# Altium PCB TG102LE4G_A7682_240822.PcbDoc (part 1 of 2) (continued)
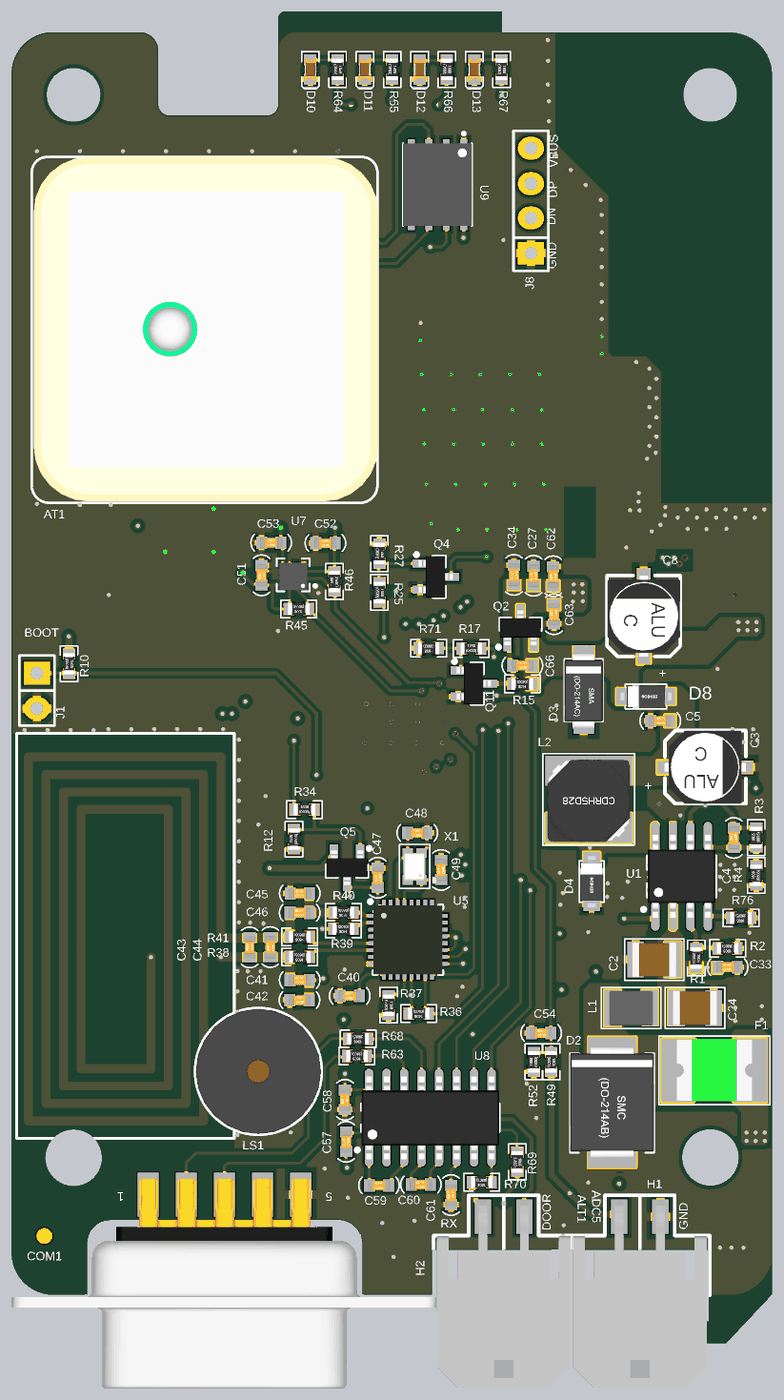
[diagram p5: 3D render of the assembled board from above, using the file's embedded part models]
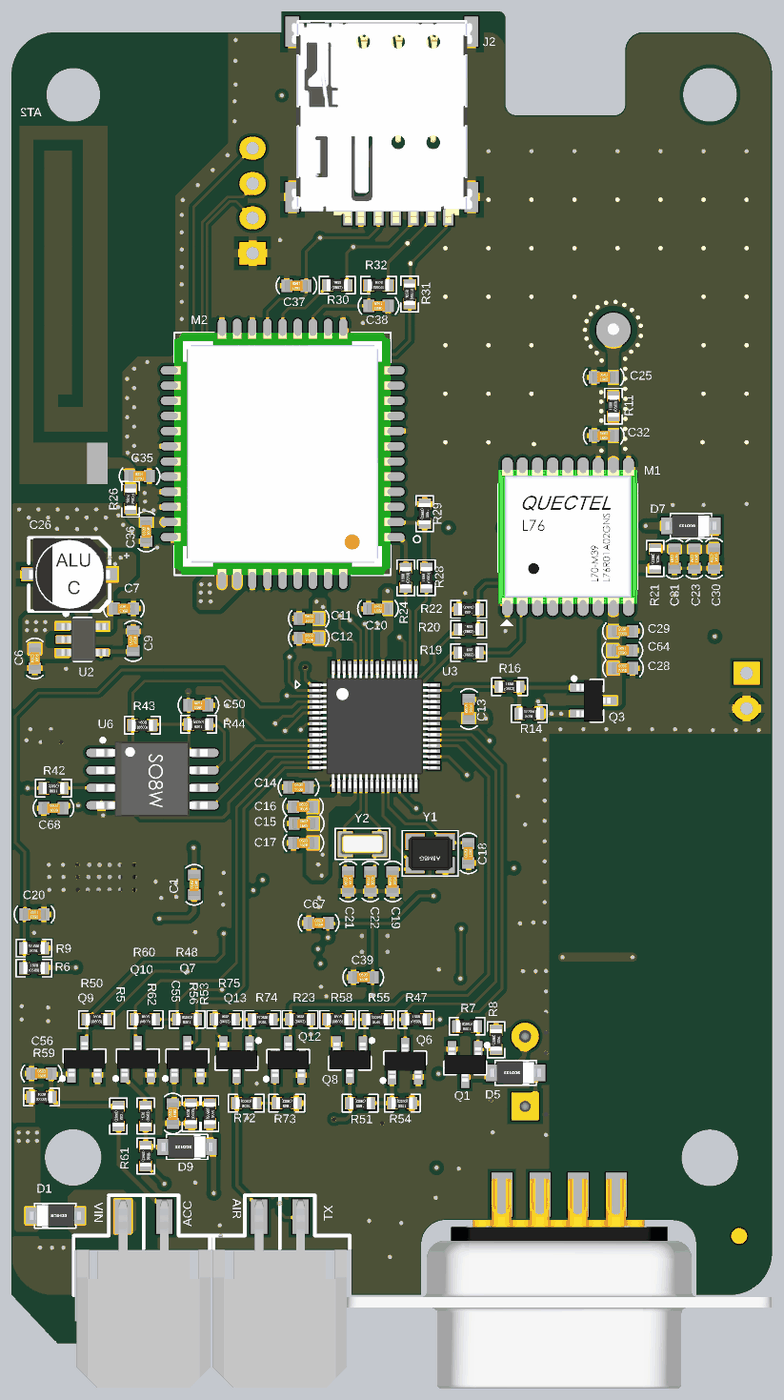
[diagram p6: 3D render of the assembled board from below, using the file's embedded part models]

## Layer stack, top to bottom
Top Solder: solder mask 0.0254, SM-001, Dk 3.8
Top Layer: signal copper 0.035
Dielectric 1: prepreg 0.0993, PP-017, Dk 4
Signal1 Layer: signal copper 0.0152
Dielectric 3: core 1.2649, Core-039, Dk 4
Signal2 layer: signal copper 0.0152
Dielectric 2: prepreg 0.0993, PP-017, Dk 4
Bottom Layer: signal copper 0.035
Bottom Solder: solder mask 0.0254, SM-001, Dk 3.8

## Board outline
-0.013,3.048 ccw(c3.048,3.048) 3.048,-0.013 5.48,-0.013 5.493,0 5.493,3.752 5.493,3.76 cw(c7.148,3.752) 7.148,5.407 7.148,5.433 23.665,5.433 cw(c23.665,3.644) 25.453,3.653 25.453,0.013 30.493,0.013 30.493,3.249 30.505,3.264 50.597,3.264 50.605,3.241 50.605,-1.925 50.592,-1.938 49.453,-1.938 49.453,-3.532 51.856,-3.532 55.18,0.006 55.18,3.043 55.185,88.515 55.187,88.522 ccw(c52.126,88.515) 52.126,91.576 52.124,91.576 35.6,91.576 35.587,91.589 35.587,93.114 33.838,93.114 19.843,93.114 19.853,93.11 ccw(c19.855,92.597) 19.342,92.597 19.342,92.594 19.342,86.311 cw(c18.529,86.374) 18.566,85.56 11.386,85.56 cw(c11.45,86.373) 10.635,86.336 10.635,90.26 ccw(c9.294,90.26) 9.299,91.602 3,91.602 ccw(c3,88.589) -0.013,88.589
cut-out: 4.492,85.108 cw(c4.492,87.058) 2.542,87.058 cw(c4.492,87.058) 4.492,89.008 cw(c4.492,87.058) 6.442,87.058 cw(c4.492,87.058)
cut-out: 48.752,87.054 ccw(c50.702,87.054) 50.702,85.104 ccw(c50.702,87.054) 52.652,87.054 ccw(c50.702,87.054) 50.702,89.004 ccw(c50.702,87.054)
cut-out: 2.447,9.933 ccw(c4.497,9.933) 4.497,7.883 ccw(c4.497,9.933) 6.547,9.933 ccw(c4.497,9.933) 4.497,11.983 ccw(c4.497,9.933)
cut-out: 48.668,9.959 ccw(c50.718,9.959) 50.718,7.909 ccw(c50.718,9.959) 52.768,9.959 ccw(c50.718,9.959) 50.718,12.009 ccw(c50.718,9.959)

## Design rules (kind name [scope] priority, off if disabled: settings)
Clearance USB [InNet('D_N') vs InNet('D_P')] p1: gap=0.254 ignorepadtopadclearanceinfootprint=FALSE except(0.127: Arc-Arc Arc-Track Track-Track)
Clearance Clearance_2 [OnLayer('Keep-Out Layer')] p2: gap=0.05 ignorepadtopadclearanceinfootprint=FALSE
Clearance Clearance_4 [InNetClass('ANT')] p3: gap=0.17 ignorepadtopadclearanceinfootprint=FALSE
Clearance Clearance_3 [HasFootprint('32-VFQFN')    or HasFootprint('HT_LQFP64')    or HasFootprint('MUP-C7801-2')   or HasFootprint('SOT886')    or HasFootprint('Crystal 2016')] p4: gap=0.15 ignorepadtopadclearanceinfootprint=FALSE
Clearance Clearance_1 [HasFootprint('KXTJ3-1057')] p5: gap=0 ignorepadtopadclearanceinfootprint=FALSE
Clearance POWER [InNetClass('POWER')        or InNet('NetC41_2')] p6: gap=0.254 ignorepadtopadclearanceinfootprint=FALSE except(0.15: Arc-Track Track-Track Track-Region Region-Region; 0.3: Arc-Poly Arc-Region Track-Poly SMDPad-Poly THPad-Poly THPad-Region Via-Poly Via-Region Fill-Poly Fill-Region Poly-Poly Poly-Region)
Clearance PolyGon [InNamedPolygon('GND_L01_P000')or InNamedPolygon('GND_L04_P001') or InNamedPolygon('3V3')or InNamedPolygon('GND_L03_P002') or InNamedPolygon('V_MCU_L02_P003   ')] p7: gap=0.254 ignorepadtopadclearanceinfootprint=FALSE
Clearance [All] p8: gap=0.15 ignorepadtopadclearanceinfootprint=FALSE
DiffPairsRouting DiffPair_DIFF90DiffPairsRouting [InDifferentialPairClass('DIFF90')] p1: maxlimit=0.152 minlimit=0.152 mostfreqgap=0.152 toplayer_minwidth=0.178 toplayer_maxwidth=0.178 toplayer_prefwidth=0.178 midlayer1_minwidth=0.178 midlayer1_maxwidth=0.178 midlayer1_prefwidth=0.178 midlayer2_minwidth=0.178 midlayer2_maxwidth=0.178 midlayer2_prefwidth=0.178 bottomlayer_minwidth=0.178 bottomlayer_maxwidth=0.178 bottomlayer_prefwidth=0.178 maxuncoupledlength=12.7
DiffPairsRouting DiffPairsRouting_1 [InDifferentialPairClass('DIFF90')] p2: maxlimit=0.254 minlimit=0.254 mostfreqgap=0.254 toplayer_minwidth=0.381 toplayer_maxwidth=0.381 toplayer_prefwidth=0.381 midlayer1_minwidth=0.381 midlayer1_maxwidth=0.381 midlayer1_prefwidth=0.381 midlayer2_minwidth=0.381 midlayer2_maxwidth=0.381 midlayer2_prefwidth=0.381 bottomlayer_minwidth=0.381 bottomlayer_maxwidth=0.381 bottomlayer_prefwidth=0.381 maxuncoupledlength=12.7
DiffPairsRouting [All] p3: maxlimit=0.254 minlimit=0.254 mostfreqgap=0.254 toplayer_minwidth=0.381 toplayer_maxwidth=0.381 toplayer_prefwidth=0.381 midlayer1_minwidth=0.381 midlayer1_maxwidth=0.381 midlayer1_prefwidth=0.381 midlayer2_minwidth=0.381 midlayer2_maxwidth=0.381 midlayer2_prefwidth=0.381 bottomlayer_minwidth=0.381 bottomlayer_maxwidth=0.381 bottomlayer_prefwidth=0.381 maxuncoupledlength=12.7
MatchedLengths [InDifferentialPairClass('DIFF90')] p1: tolerance=25.4 checknetsindiffpair=FALSE checkdiffpairvsdiffpair=TRUE checkxsignals=TRUE checkothers=TRUE
MatchedLengths DiffPair_DIFF90MatchedLengths [InDifferentialPairClass('DIFF90')] p2: tolerance=25.4 checknetsindiffpair=FALSE checkdiffpairvsdiffpair=TRUE checkxsignals=TRUE checkothers=TRUE
MinimumSolderMaskSliver [All] p1: minsoldermaskwidth=0
PolygonConnect PolygonConnect_LINEPOLY [InPolygonClass('LINE_POLY')] p1: connectstyle=Direct reliefconductorwidth=0.4 reliefentries=4 polygonreliefangle="90 Angle" airgapwidth=0.3
PolygonConnect PolygonConnect_BigPAD [(AsMM(PadXSize_AllLayers) >2 ) OR (      AsMM(PadYSize_AllLayers) >2 )] p2: thpad.connectstyle=Relief thpad.reliefconductorwidth=0.8 thpad.reliefentries=4 thpad.polygonreliefangle="90 Angle" thpad.airgapwidth=0.4 smdpad.connectstyle=Relief smdpad.reliefconductorwidth=0.6 smdpad.reliefentries=4 smdpad.polygonreliefangle="90 Angle" smdpad.airgapwidth=0.4 via.connectstyle=Direct via.reliefconductorwidth=0.254 via.reliefentries=4 via.polygonreliefangle="90 Angle" via.airgapwidth=0.254
PolygonConnect [All] p3: thpad.connectstyle=Relief thpad.reliefconductorwidth=0.6 thpad.reliefentries=4 thpad.polygonreliefangle="90 Angle" thpad.airgapwidth=0.4 smdpad.connectstyle=Relief smdpad.reliefconductorwidth=0.4 smdpad.reliefentries=4 smdpad.polygonreliefangle="90 Angle" smdpad.airgapwidth=0.3 via.connectstyle=Direct via.reliefconductorwidth=0.254 via.reliefentries=4 via.polygonreliefangle="90 Angle" via.airgapwidth=0.254
RoutingVias [All] p1: holewidth=0.3 width=0.5 viastyle="Through Hole" minholewidth=0.3 minwidth=0.5 maxholewidth=0.3 maxwidth=0.5
SMDNeckDown [All] p1: percent=100.000
SilkToSilkClearance [All] p1: silktosilkclearance=0
SilkToSolderMaskClearance [IsPad] p1: minsilkscreentomaskgap=0 clearancetoexposedcopper=TRUE
SolderMaskExpansion [All] p1: expansion=0.102 istentingtop=FALSE
Width [All] p1: maxlimit=1.27 minlimit=0.15 preferedwidth=0.3 minimp=50.000000 maximp=50.000000 favimp=50.000000
26 further rules are at their usual default settings.

## Classes and differential pairs
net class POWER: 3V3-RF 4V ADC_5V NetC1_2 NetC3_1 NetD1_2 NetD2_2 OMCU_ADC_5V V_CHECK V_MCU VCC_GPS VCC_GSM VIN
net class ANT: NetAT1_1 NetAT2_1 NetC32_2 RF_ANT
differential pair class DIFF90: D
component class "U_09 Peripherral": C54 C55 C56 C57 C58 C59 C60 C61 COM1 D9 D10 D11 D12 D13 H1 H2 Q6 Q7 Q8 Q9 Q10 Q12 Q13 R5 R23 R47 R48 R49 R50 R51 R52 R53 R54 R55 R56 R58 R59 R60 R61 R62 R63 R64 R65 R66 R67 R68 R69 R70 R72 R73 R74 R75 U8
component class "U_06 RFID": C39 C40 C41 C42 C43 C44 C45 C46 C47 C48 C49 C67 Q5 R12 R34 R36 R37 R38 R39 R40 R41 U5 X1
component class "U_08 Motion": C51 C52 C53 R45 R46 U7
component class "U_05 Cellular": AT1 AT2 C23 C25 C27 C28 C29 C30 C31 C32 C34 C35 C36 C37 C38 C62 C63 C64 C66 D7 J2 J8 M1 M2 Q2 Q3 Q4 Q11 R11 R14 R15 R16 R17 R19 R20 R21 R22 R24 R25 R26 R27 R28 R29 R30 R31 R32 R71 U9
component class "U_04 MCU": C10 C11 C12 C13 C14 C15 C16 C17 C18 C19 C20 C21 C22 D5 J1 LS1 Q1 R6 R7 R8 R9 R10 U3 Y1 Y2
component class "U_03 Power DC": C1 C2 C3 C4 C5 C6 C7 C8 C9 C24 C26 C33 C68 D1 D2 D3 D4 D8 F1 L1 L2 R1 R2 R3 R4 R76 U1 U2
component class "U_07 Memories": C50 R42 R43 R44 U6
differential pair D: +D_P -D_N

## Components (designator, comment, footprint, x,y, rotation, side; value= is the part's Value field where it differs from the comment)
AT1 "25x25x4" "Jinchang - 1575" 14,70 r270 top locked
AT2 "Anten RF" ANT_GSM 54.6,58.81 r90 bottom
C1 "100nF" "0603 - C" 41.93,29.74 r90 bottom
C2 "4.7uF/100V" "1210 - C" 46.639,24.313 r0 top
C3 "10uF/35V" CAP_ALUM_SMD_5054_TYPE_C 50.34,38.27 r0 top locked
C4 "33pF_NM" "0603 - C" 52.415,33.14 r90 top
C5 "100nF" "0603 - C" 47.08,41.635 r0 top
C6 "100nF" "0603 - C" 53.495,46.16 r90 bottom
C7 "100nF" "0603 - C" 47.03,49.78 r0 bottom
C8 "10uF/35V" CAP_ALUM_SMD_5054_TYPE_C 45.885,49.23 r90 top
C9 "10nF" "0603 - C" 46.36,47.43 r90 bottom
C10 "100nF" "0603 - C" 28.587,49.775 r180 bottom
C11 "2.2uF" "0603 - C" 33.605,49.052 r180 bottom
C12 "100nF" "0603 - C" 33.605,47.647 r180 bottom
C13 "100nF" "0603 - C" 21.99,42.5 r90 bottom
C14 "2.2uF" "0603 - C" 34.355,36.82 r180 bottom
C15 "2.2uF" "0603 - C" 33.98,34.185 r180 bottom
C16 "100nF" "0603 - C" 34.025,35.4 r180 bottom
C17 "2.2uF" "0603 - C" 34.005,32.775 r180 bottom
C18 "22pF" "0603 - C" 22.025,32.025 r90 bottom
C19 "22pF" "0603 - C" 27.522,29.985 r90 bottom
C20 "100nF" "0603 - C" 53.52,27.595 r0 bottom
C21 "22pF" "0603 - C" 30.75,29.985 r90 bottom
C22 "22pF" "0603 - C" 29.136,29.985 r90 bottom
C23 "10uF" "0603 - C" 5.628,53.406 r90 bottom
C24 "4.7uF/100V" "1210 - C" 49.601,20.8 r180 top
C25 "NM" "0603 - C" 12.205,66.57 r180 bottom
C26 "10uF/35V" CAP_ALUM_SMD_5054_TYPE_C 50.977,52.262 r0 bottom
C27 "100nF" "0603 - C" 37.88,52.16 r270 top
C28 "2.2uF" "0603 - C" 10.805,45.455 r0 bottom
C29 "100nF" "0603 - C" 10.805,48.14 r0 bottom
C30 "10uF" "0603 - C" 4.19,53.42 r90 bottom
C31 "100nF" "0603 - C" 7.067,53.406 r90 bottom
C32 "NM" "0603 - C" 12.2,62.325 r180 bottom
C33 "100nF" "0603 - C" 51.965,23.767 r180 top
C34 "10uF" "0603 - C" 36.455,52.225 r270 top
C35 "NM" "0603 - C" 45.89,59.385 r0 bottom
C36 "NM" "0603 - C" 45.405,55.375 r90 bottom
C37 "100nF" "0603 - C" 34.504,73.209 r0 bottom
C38 "22pF" "0603 - C" 28.548,71.746 r0 bottom
C39 "100nF" "0603 - C" 29.655,23.035 r180 bottom
C40 "1nF" "0603 - C" 24.539,21.68 r180 top
C41 "150pF" "0603 - C" 20.907,22.835 r180 top
C42 "150pF" "0603 - C" 20.89,21.38 r0 top
C43 "220pF" "0603 - C" 17.272,25.197 r90 top
C44 "220pF" "0603 - C" 18.771,25.222 r270 top
C45 "150pF" "0603 - C" 20.91,29.12 r180 top
C46 "150pF" "0603 - C" 20.904,27.711 r180 top
C47 "100nF" "0603 - C" 26.571,30.251 r270 top
C48 "22pF" "0603 - C" 29.44,33.51 r180 top
C49 "22pF" "0603 - C" 31.17,30.82 r270 top
C50 "100nF" "0603 - C" 41.618,42.772 r0 bottom
C51 "100nF" "0603 - C" 18.135,52.2 r270 top
C52 "100nF" "0603 - C" 22.772,54.535 r0 top
C53 "100nF" "0603 - C" 18.835,54.56 r0 top
C54 "100nF_NM" "0603 - C" 38.43,18.99 r0 top
C55 "100nF" "0603 - C" 43.484,13.145 r90 bottom
C56 "100nF" "0603 - C" 53.02,16.04 r180 bottom
C57 "100nF" "0603 - C" 24.28,11.097 r270 top
C58 "100nF" "0603 - C" 24.19,14.14 r90 top
C59 "100nF" "0603 - C" 26.66,7.93 r180 top
C60 "100nF" "0603 - C" 29.7,7.99 r180 top
C61 "100nF" "0603 - C" 31.89,7.23 r90 top
C62 "33pF" "0603 - C" 39.305,52.125 r270 top
C63 "10pF" "0603 - C" 39.36,49.375 r90 top
C64 "1uF" "0603 - C" 10.845,46.745 r0 bottom value=10uF
C66 "100nF" "0603 - C" 37.07,45.655 r0 top
C67 "100nF" "0603 - C" 32.897,26.97 r180 bottom
C68 "10nF" "0603 - C" 52.14,35.31 r180 bottom
COM1 "DB9 MALE" "DSB 9M-SM" 15.443,8.941 r180 top locked
D1 "60V 2A" SOD-123 52.01,5.73 r90 bottom
D2 "SMCJ36A" "DIODE - SMC" 43.58,13.96 r270 top
D3 "SMAJ5.0A" "Diode - SMA" 41.515,43.9 r270 top
D4 "60V 2A" SOD-123 42.1,29.974 r0 top
D5 "1N4148" SOD-123 18.593,16.104 r270 bottom
D7 "1N4148" SOD-123 5.87,55.785 r270 bottom
D8 "60V 2A" SOD-123 46.04,43.4 r90 top
D9 "1N4148" SOD-123 42.445,10.721 r270 bottom
D10 "RED" "LED - 0603 - R" 21.673,88.9 r270 top locked
D11 "RED" "LED - 0603 - R" 25.642,88.9 r270 top locked
D12 "RED" "LED - 0603 - R" 29.61,88.9 r270 top locked
D13 "RED" "LED - 0603 - R" 33.579,88.9 r270 top locked
F1 "60V-750mA" "2016 - Fuse" 51.01,16.28 r180 top
H1 "MX3.0 RA 2*2P S" 43045-M3045-2X2-B 45.593,1.219 r0 top locked
H2 "MX3.0 RA 2*2P S" 43045-M3045-2X2-B 35.712,1.219 r0 top locked
J1 "Jumper 2" JP2 1.829,43.815 r270 top value=J3
J2 "MUP-C7801-2" MUP-C7801-2 28.3,84.9 r0 bottom locked
J8 "Jumper 4" JP4 37.69,79.37 r90 top
L1 "2.2uH" "1210 - L" 44.959,20.8 r0 top
L2 "10uH/2.5A" INDUCTOR-5D28 41.88,35.941 r90 top
LS1 "3V 9mm" Buzzer 17.907,16.205 r90 top locked
M1 "L76" "Quectel L76" 14.8,55 r90 bottom
M2 "SIM800C" SIM800C_1 35.509,61.011 r0 bottom locked
Q1 "2N3904" SOT23B 22.266,16.706 r270 bottom
Q2 "IRLML6402" SOT23B 36.935,48.385 r90 top
Q3 "IRLML6402" SOT23B 12.953,43.103 r180 bottom
Q4 "2N3904" SOT23B 30.776,52.095 r0 top
Q5 "IRLML6402" SOT23B 24.34,30.98 r270 top
Q6 "2N3904" SOT23B 26.619,16.934 r90 bottom
Q7 "2N3904" SOT23B 42.419,17.082 r90 bottom
Q8 "2N3904_NM" SOT23B 30.632,17.043 r270 bottom
Q9 "2N3904" SOT23B 49.887,17.082 r90 bottom
Q10 "2N3904" SOT23B 46.019,17.082 r90 bottom
Q11 "2N3904" SOT23B 33.54,44.345 r0 top
Q12 "2N3904" SOT23B 35.103,17.043 r90 bottom
Q13 "2N3904_NM" SOT23B 38.862,17.043 r270 bottom
R1 "294K" "0603 - R" 49.687,24.43 r270 top
R2 "42.2K" "0603 - R" 51.965,25.13 r180 top
R3 "294K" "0603 - R" 54.04,33.17 r90 top
R4 "68K" "0603 - R" 54.04,30.423 r90 top
R5 "100K" "0603 - R" 47.43,12.965 r270 bottom
R6 "210K" "0603 - R" 53.555,23.695 r180 bottom
R7 "10K" "0603 - R" 22.123,19.482 r0 bottom
R8 "10K" "0603 - R" 20.015,18.491 r270 bottom
R9 "10K" "0603 - R" 53.555,25.15 r0 bottom
R10 "10K" "0603 - R" 4.16,45.78 r270 top
R11 "0R" "0603 - R" 11.5,64.465 r90 bottom
R12 "294K" "0603 - R" 20.49,33.05 r90 top
R14 "294K" "0603 - R" 17.6,42.16 r0 bottom
R15 "294K" "0603 - R" 37.07,44.315 r180 top
R16 "3.3K" "0603 - R" 19.043,44.11 r180 bottom
R17 "10K" "0603 - R" 33.355,46.885 r0 top
R19 "1K" "0603 - R" 22.002,46.585 r180 bottom
R20 "1K" "0603 - R" 22.002,48.281 r180 bottom
R21 "1K" "0603 - R" 8.47,53.41 r270 bottom
R22 "5.6K" "0603 - R" 22.002,49.729 r0 bottom
R23 "10K" "0603 - R" 34.239,19.971 r180 bottom
R24 "1K" "0603 - R" 26.571,52.018 r90 bottom
R25 "10K" "0603 - R" 26.69,50.952 r270 top
R26 "0R" "0603 - R" 46.545,57.72 r90 bottom locked
R27 "10K" "0603 - R" 26.69,53.77 r270 top
R28 "4.7K" "0603 - R" 25.071,52.018 r90 bottom
R29 "5.6K" "0603 - R" 25.197,56.667 r270 bottom
R30 "22R" "0603 - R" 31.542,73.244 r180 bottom
R31 "22R" "0603 - R" 26.289,72.593 r90 bottom
R32 "22R" "0603 - R" 28.548,73.244 r180 bottom
R34 "3.3K" "0603 - R" 21.25,35.19 r0 top
R36 "10K" "0603 - R" 29.54,20.4 r180 top
R37 "10K" "0603 - R" 27.36,21.006 r270 top
R38 "330R" "0603 - R" 20.907,24.5 r180 top
R39 "0R" "0603 - R" 24.072,26.54 r180 top
R40 "0R" "0603 - R" 24.08,27.74 r180 top
R41 "330R" "0603 - R" 20.904,25.959 r180 top
R42 "10K" "0603 - R" 52.14,36.75 r0 bottom
R43 "10K" "0603 - R" 45.69,41.322 r180 bottom
R44 "10K" "0603 - R" 41.618,41.394 r0 bottom
R45 "4.7K" "0603 - R" 20.835,49.76 r180 top
R46 "4.7K" "0603 - R" 23.425,51.75 r90 top
R47 "10K" "0603 - R" 25.83,19.97 r180 bottom
R48 "10K" "0603 - R" 42.45,19.97 r0 bottom
R49 "10K_NM" "0603 - R" 39.15,16.895 r270 top
R50 "10K" "0603 - R" 49.01,19.97 r180 bottom
R51 "1K" "0603 - R" 29.88,13.89 r0 bottom value=100K
R52 "4.7K_NM" "0603 - R" 37.9,16.895 r90 top
R53 "100K" "0603 - R" 40.791,13.145 r270 bottom
R54 "10K" "0603 - R" 26.822,13.894 r0 bottom
R55 "1K" "0603 - R" 28.67,19.971 r0 bottom value=1K_NM
R56 "61.2K" "0603 - R" 42.155,13.145 r90 bottom value=42.2K
R58 "10K" "0603 - R" 31.52,19.971 r180 bottom value=10K_NM
R59 "61.2K" "0603 - R" 53.01,14.34 r180 bottom value=42.2K
R60 "10K" "0603 - R" 45.491,19.971 r180 bottom
R61 "100K" "0603 - R" 45.445,10.059 r270 bottom
R62 "100K" "0603 - R" 45.445,12.966 r90 bottom
R63 "1K" "0603 - R" 25.06,17.32 r180 top
R64 "3.3K" "0603 - R" 23.651,88.9 r270 top locked
R65 "3.3K" "0603 - R" 27.62,88.9 r270 top locked
R66 "3.3K" "0603 - R" 31.588,88.9 r270 top locked
R67 "3.3K" "0603 - R" 35.557,88.9 r270 top locked
R68 "1K" "0603 - R" 25.14,18.56 r180 top
R69 "1K" "0603 - R" 36.7,9.64 r270 top
R70 "1K" "0603 - R" 34.12,8.16 r180 top
R71 "10K" "0603 - R" 30.265,46.905 r180 top
R72 "1K" "0603 - R" 38.151,13.894 r0 bottom value=100K
R73 "10K" "0603 - R" 35.204,13.894 r0 bottom
R74 "1K" "0603 - R" 36.957,19.971 r0 bottom value=1K_NM
R75 "10K" "0603 - R" 39.7,19.971 r180 bottom value=10K_NM
R76 "49.9K" "0603 - R" 52.94,27.336 r180 top value=42.2K
U1 "SGM61630" "SOIC8 - POWER" 48.626,30.356 r90 top
U2 "SPX3819M5" SOT23-5 50.037,47.543 r180 bottom
U3 "HT32F52367_LQFP64" HT_LQFP64 28.616,41.172 r270 bottom
U5 "CR95HF" 32-VFQFN 28.76,25.75 r0 top
U6 "Flash 64Mbit" "8 - SOIC" 44.96,37.41 r180 bottom locked
U7 "KXTJ3-1057" KXTJ3-1057 20.433,52.223 r180 top
U8 "MAX3232" SOIC16 30.387,12.848 r90 top
U9 "e-SIM" "E-SIM 5*6mm" 28.421,83.542 r270 top
X1 "Crystal 27.12MHz" "Crystal 2016" 29.25,31.073 r180 top
Y1 "8MHz" "Crystal 3225" 24.795,32.025 r0 bottom
Y2 "32.768Khz" "Crystal 3215" 29.71,32.705 r180 bottom

## Footprints (in the part's own frame and the unit in brackets; to place one, negate y for a bottom-side part, rotate by r counter-clockwise, add the part's x,y. Pads: shape width x height; smd on the part's side, far side on the other; paste and mask are expansions set on the pad)
"8 - SOIC" [mm] "SOIC, 8-Leads, Body 5.3x3.9mm, Pitch 1.27mm, IPC Medium Density"
  oval 2.2x0.6 smd: 1(-3.7,1.905) 2(-3.7,0.635) 3(-3.7,-0.635) 4(-3.7,-1.905) 5(3.7,-1.905) 6(3.7,-0.635) 7(3.7,0.635) 8(3.7,1.905)
  silkscreen extent -3.73,-2.5 2.35,2.95, body extent -4.08,-2.73 4.02,2.73, height 1.75
32-VFQFN [mil] "VFQFN, 32-lead, Body 5x5 mm, 0.5 mm pitch,IPC High Density"
  rect 31.5x11 smd mask+4.5: 1(-98.42,68.89) 2(-98.42,49.21) 3(-98.42,29.53) 4(-98.42,9.84) 5(-98.42,-9.84) 6(-98.42,-29.52) 7(-98.42,-49.21) 8(-98.42,-68.89) 17(98.43,-68.89) 18(98.43,-49.21) 19(98.43,-29.52) 20(98.43,-9.84) 21(98.43,9.84) 22(98.43,29.53) 23(98.43,49.21) 24(98.43,68.89)
  rect 11x31.5 smd mask+4.5: 9(-68.91,-98.42) 10(-49.22,-98.42) 11(-29.54,-98.42) 12(-9.86,-98.42) 13(9.83,-98.42) 14(29.51,-98.42) 15(49.19,-98.42) 16(68.88,-98.42) 25(68.88,98.43) 26(49.19,98.43) 27(29.51,98.43) 28(9.83,98.43) 29(-9.86,98.43) 30(-29.54,98.43) 31(-49.22,98.43) 32(-68.91,98.43)
  rect 106.3x106.3 smd paste-118.11: 33(0.08,-0.06)
  silkscreen extent -112,-99 99,114, body extent -99,-99 99,99, height 30
"0603 - C" [mm] "Chip Capacitor, Body 1.6x0.8mm, IPC High Density"
  rect 0.8x0.9 smd: 1(-0.7,0) 2(0.7,0)
  silkscreen extent -1.47,-0.6 1.47,0.6, body extent -0.8,-0.4 0.8,0.4, height 0.8
"0603 - R" [mm] "Chip Resistor, Body 1.6x0.8mm, IPC High Density"
  rect 0.8x0.9 smd paste-0.025: 1(-0.7,0) 2(0.7,0)
  silkscreen extent -1.3,-0.64 1.29,0.63, body extent -0.77,-0.42 0.78,0.43, height 0.45
"1210 - C" [mm] "Chip Capacitor, Body 3.2x2.5mm, IPC High Density"
  rect 1.2x2.6 smd: 1(-1.35,0) 2(1.35,0)
  silkscreen extent -2.16,-1.5 2.16,1.5, body extent -1.6,-1.25 1.6,1.25, height 2.5
"1210 - L" [mm] "Chip Capacitor, Body 2.54x1.27mm, IPC High Density"
  rect 1.2x2.6 smd: 1(-1.35,0) 2(1.35,0)
  silkscreen extent -2.16,-1.5 2.16,1.5, body extent -1.6,-1.25 1.6,1.25, height 1.9
"2016 - Fuse" [mm] "Chip Resetable Fuse,  Body 5.1x4.2mm, IPC High Density"
  rect 2.5x4.6 smd: 1(-2.6,0) 2(2.6,0)
  silkscreen extent -4.04,-2.49 4.04,2.49, body extent -2.72,-2.25 2.72,2.26, height 2
43045-M3045-2X2-B [mm] "Micro-Fit 3.0™ Vertical Angle Header, 3.00mm Pitch, Dual Row, 4 Circuits, with Solder Tab, Gold, Glow Wire Capable, Black"
  rect 1.2x2.5 smd far side: 1(-1.5,4.445) 3(1.5,4.445)
  rect 1.2x2.5 smd: 2(-1.5,4.445) 4(1.5,4.445)
  silkscreen extent -5.08,-1.27 5.08,5.99, body extent -4.86,-7.97 4.86,5.68, height 3.62
ANT_GSM [mm] "Antenna GSM PCB"
  rect 3x1.5 smd mask+0.102: 1(1.5,-5.64)
  Top Layer region: 6.5,-1.801 24.2,-1.801 24.2,-3.801 6.5,-3.801
  Top Layer region: 3.8,-1.801 24.2,-1.801 24.2,-2.801 3.8,-2.801
  Top Layer region: 3.8,-1.8 5.6,-1.8 5.6,-6.4 3.8,-6.4
  Top Layer region: 3.8,-4.6 26,-4.6 26,-6.4 3.8,-6.4
  Top Layer region: 25,0 26,0 26,-6.4 25,-6.4
  Top Layer region: 0,0 3,0 3,-6.4 0,-6.4
  Top Layer region: 0,0 26,0 26,-1 0,-1
Buzzer [mm] "Buzer 9mm"
  rect 2x2 hole 0.8: 1(-2.54,0)
  round 2 hole 0.889: 2(2.54,0)
  silkscreen extent -4.6,-4.6 4.6,4.6, body extent -4.55,-4.55 4.55,4.55, height 5.6
CAP_ALUM_SMD_5054_TYPE_C [mm]
  rect 2.4x1 smd paste-0.05: 1(-2.3,0) 2(2.3,0)
  silkscreen extent -2.92,-2.65 2.95,2.67, body extent -2.95,-2.65 2.95,2.65, height 5.41
"Crystal 2016" [mm] "Surface Mount,4-SMD, No Lead (DFN, LCC),2.00mm x 1.60mm"
  rect 0.75x0.7 smd mask+0.119: 1(-0.5,0.975) 2(-0.5,-0.975) 3(0.5,-0.975) 4(0.5,0.975)
  silkscreen extent -1.55,-1.6 1.1,1.6, body extent -0.77,-0.98 0.83,1.01, height 0.7
"Crystal 3215" [mm] "Surface Mount, crystal 2lead, 3.20mm x 1.50mm"
  rect 1.1x1.9 smd paste-0.05: 1(-1.25,0) 2(1.25,0)
  silkscreen extent -1.98,-1.12 1.98,1.12, body extent -1.6,-0.75 1.6,0.75, height 0.8
"Crystal 3225" [mm] "Surface Mount,4-SMD, No Lead (DFN, LCC),3.20mm x 2.50mm"
  rect 1.4x1.2 smd paste-0.026: 1(-1.1,-0.85) 2(1.1,-0.85) 3(1.1,0.85) 4(-1.1,0.85)
  silkscreen extent -2.03,-1.65 2.03,1.65, body extent -1.6,-1.25 1.6,1.25, height 1.01
"Diode - SMA" [mm] "Diode; 2 Leads"
  rect 2.2x1.5 smd: 1(2.1,0) 2(-2.1,0)
  silkscreen extent -2.24,-1.4 2.34,1.4, body extent -2.67,-1.4 2.83,1.4, height 2.6
"DIODE - SMC" [mm] "Diode; 2 Leads, 6.8x5.9mm"
  rect 2.5x3.5 smd: 1(3.5,0) 2(-3.5,0)
  silkscreen extent -3.56,-3.1 3.66,3.05, body extent -4.06,-3.05 4.07,3.05, height 2.4
"DSB 9M-SM" [mil] "Com 9 chan SMD,F"
  rect 60x125.98 smd: 1(218.11,66) 2(109.06,66) 3(0,66) 4(-109.06,66) 5(-218.11,66)
  rect 60x125.98 smd far side: 6(163.58,66) 7(54.53,66) 8(-54.53,66) 9(-163.58,66)
  silkscreen extent -399,158 400,355, body extent -606,20 607,619, height 220
"E-SIM 5*6mm" [mm]
  rect 1.11x0.51 smd: 1(0.247,4.394) 2(0.247,3.124) 3(0.247,1.854) 4(0.247,0.584) 5(5.747,0.584) 6(5.747,1.854) 7(5.747,3.124) 8(5.747,4.394)
  rect 3.6x3.7 smd paste-3: 9(2.997,2.489)
  silkscreen extent -0.8,-0.01 6,4.99, body extent 0,-0.01 6,4.99, height 0.82
HT_LQFP64 [mm]
  rect 0.25x0.9 smd: 1(-3.057,-4.516) 2(-2.657,-4.516) 3(-2.257,-4.516) 4(-1.857,-4.516) 5(-1.457,-4.516) 6(-1.057,-4.516) 7(-0.657,-4.516) 8(-0.257,-4.516) 9(0.143,-4.516) 10(0.543,-4.516) 11(0.943,-4.516) 12(1.343,-4.516) 13(1.743,-4.516) 14(2.143,-4.516) 15(2.543,-4.516) 16(2.943,-4.516) 33(2.943,4.084) 34(2.543,4.084) 35(2.143,4.084) 36(1.743,4.084) 37(1.343,4.084) 38(0.943,4.084) 39(0.543,4.084) 40(0.143,4.084) 41(-0.257,4.084) 42(-0.657,4.084) 43(-1.057,4.084) 44(-1.457,4.084) 45(-1.857,4.084) 46(-2.257,4.084) 47(-2.657,4.084) 48(-3.057,4.084)